# Altium PCB roach2.PcbDoc (part 31 of 39) (continued)
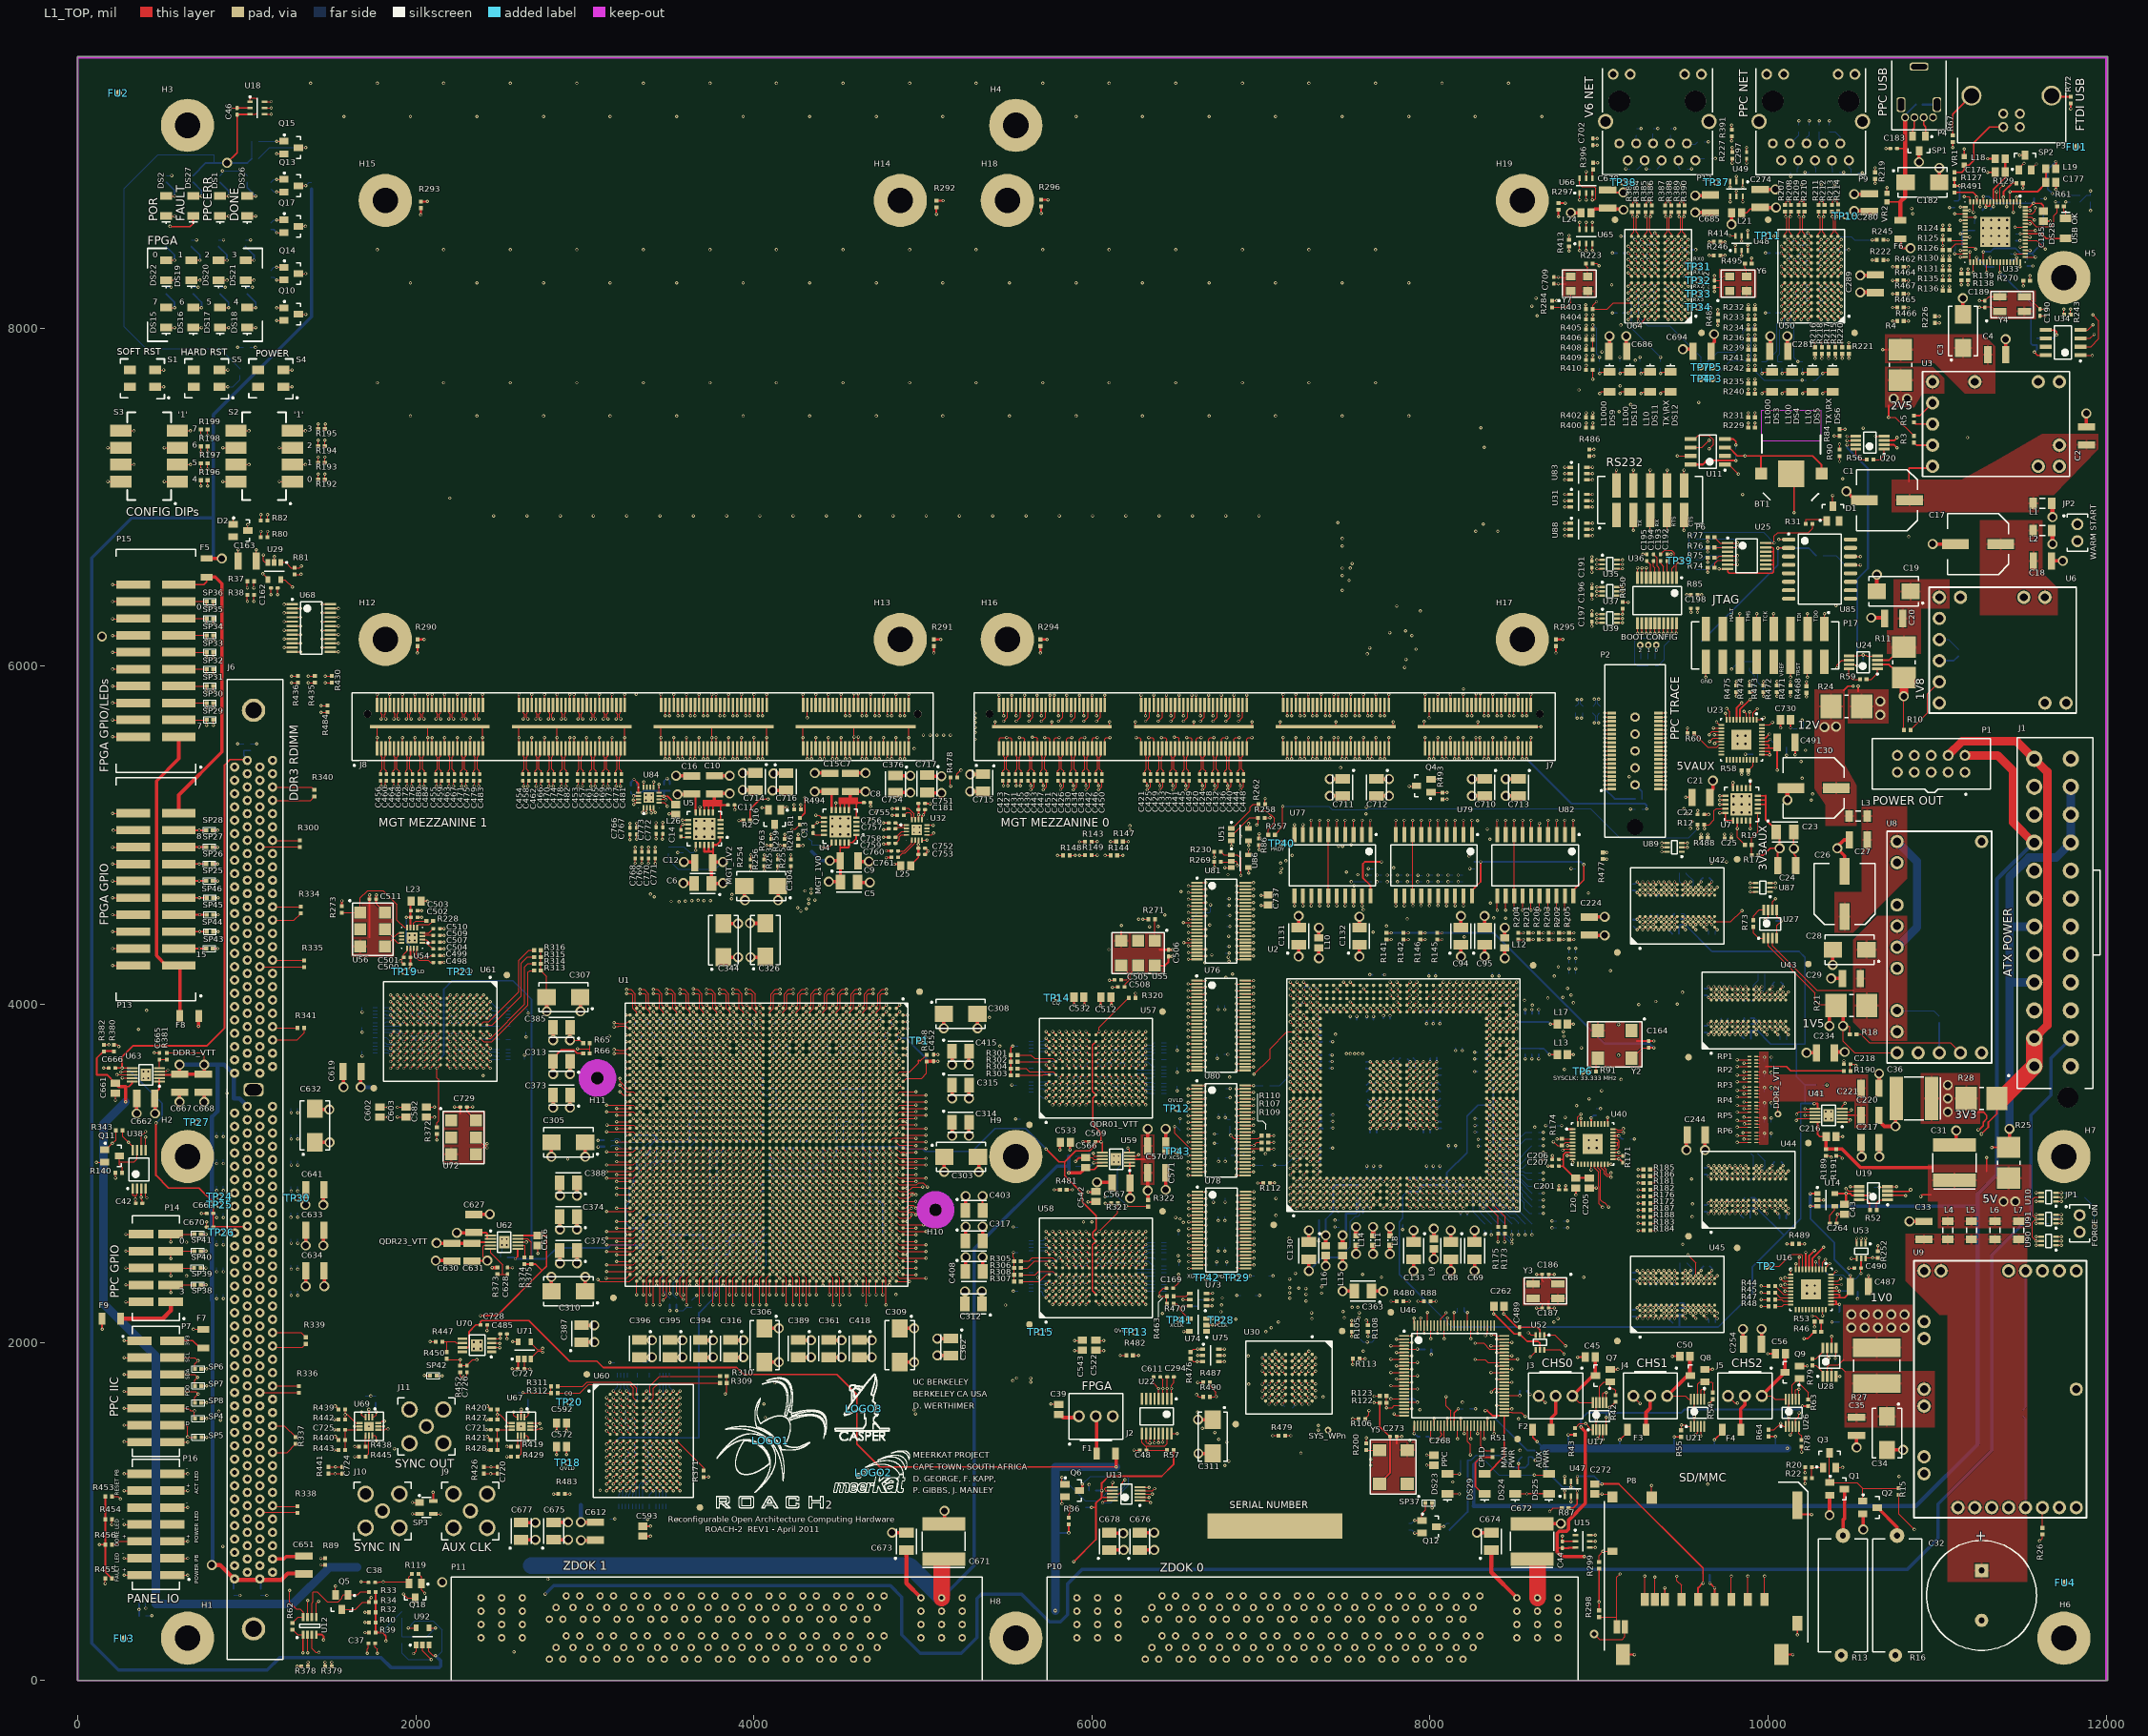
[diagram p0: L1_TOP view]
## Nets (pads, with @x,y where several pads share a name; then routed paths per layer and width w, separated by ;. In a path a pad name is that pad's centre, name@x,y a point inside that pad or via, vN(x,y) a via of type N, cw(c..) or ccw(c..) an arc to the next point about the centre after c; other vN are vias at no path point) (continued)
QDR3.D23: U1.AU19 U61.J3 | length 1863.3
  L1_TOP w5: v1(2086.61,3976.38) U61.J3@2106.3,3956.69 ; v1(3443.98,3285.87) 3463.35,3266.5 U1.AU19@3463.67,3266.18
  L12_S w3.8: v1(2086.61,3976.38) 2065.99,3955.76 2065.99,3920.99 2073.75,3913.24 2629.75,3913.24 2693.99,3848.99 2693.99,3799.99 2868.99,3624.99 2868.99,3540.99 2941.99,3467.99 3079.99,3467.99 3118.99,3428.99 3134.99,3428.99 3155.99,3407.99 3155.99,3392.99 3182.99,3365.99 3280.99,3365.99 3300.99,3345.99 3410.99,3345.99 3421.99,3334.99 3421.99,3307.86 v1(3443.98,3285.87)
QDR3.D24: U1.AY18 U61.L3 | length 1824.5
  L1_TOP w5: v1(2007.87,3976.38) U61.L3@2027.56,3956.69 ; v1(3325.87,3325.24) 3345.24,3305.87 U1.AY18@3345.56,3305.55
  L12_S w3.8: v1(2007.87,3976.38) 2018.77,3965.48 2018.77,3965.21 2023.47,3960.51 2023.47,3883.51 2027.19,3879.79 2622.19,3879.79 2672.99,3828.99 2672.99,3786.99 2760.99,3698.99 2760.99,3551.99 2877.99,3434.99 3012.99,3434.99 3064.99,3382.99 3144.99,3382.99 3172.48,3355.51 3172.48,3338.46 3181.62,3329.32 3198.66,3329.32 3220.99,3306.99 3307.63,3306.99 v1(3325.87,3325.24)
QDR3.D25: U1.BB18 U61.M3 | length 1890.4
  L1_TOP w5: v1(1968.5,3976.38) U61.M3@1988.19,3956.69 ; v2(3188.08,3305.55) U1.BB18@3266.82,3305.55
  L12_S w3.8: v1(1968.5,3976.38) 1952.9,3960.78 1952.9,3886.08 1966.99,3871.99 2594.99,3871.99 2624.99,3841.99 2624.99,3771.99 2697.99,3698.99 2697.99,3468.99 2738.99,3427.99 2834.99,3427.99 2848.99,3413.99 2848.99,3352.99 2876.99,3324.99 3168.64,3324.99 v2(3188.08,3305.55)
QDR3.D26: U1.BB19 U61.N2 | length 1977.7
  L1_TOP w5: v1(1929.13,4015.75) U61.N2@1948.82,3996.06 ; v2(3188.08,3266.18) U1.BB19@3266.82,3266.18
  L12_S w3.8: v1(1929.13,4015.75) 1913.53,4000.15 1913.53,3874.45 1931.99,3855.99 2547.99,3855.99 2594.99,3808.99 2594.99,3714.99 2676.49,3633.49 2676.49,3426.49 2825.99,3276.99 3099.72,3276.99 3124.47,3301.74 3146.53,3301.74 3182.09,3266.18 v2(3188.08,3266.18)
QDR3.D27: U1.AM17 U61.C1 | length 2072.7
  L1_TOP w5: U61.C1@2342.52,4035.43 v1(2362.21,4055.12) ; v1(3640.83,3364.61) 3660.2,3345.24 U1.AM17@3660.52,3344.92
  L12_S w3.8: v1(2362.21,4055.12) 2361.99,4055.33 2361.99,4081.99 2522.99,4242.99 2874.99,4242.99 3114.99,4002.99 3114.99,3721.99 3181.99,3654.99 3181.99,3554.14 3198.07,3538.06 3205.99,3538.06 3206.36,3537.69 3223.36,3537.69 3254.56,3506.49 3411.07,3506.49 3411.19,3506.61 3443.99,3506.61 3444.11,3506.49 3493.49,3506.49 3493.99,3506.99 3498.94,3502.04 3498.94,3481.99 3499.32,3481.61 3499.32,3405.31 3516.26,3388.38 3617.06,3388.38 v1(3640.83,3364.61)
QDR3.D28: U1.AM16 U61.D1 | length 2152.5
  L1_TOP w5: U61.D1@2303.15,4035.43 v1(2322.84,4055.12) ; v1(3640.83,3403.98) 3660.2,3384.61 U1.AM16@3660.52,3384.29
  L12_S w3.8: v1(2322.84,4055.12) 2321.99,4055.96 2321.99,4137.99 2441.99,4257.99 2885.99,4257.99 3128.99,4014.99 3128.99,3726.99 3192.16,3663.82 3192.16,3554.99 3201.3,3545.86 3214.23,3545.86 3225.74,3557.37 3249.6,3557.37 3269.16,3537.81 3450.06,3537.81 3450.18,3537.69 3490.43,3537.69 3507.12,3520.99 3507.12,3436.88 3524.06,3419.95 3624.86,3419.95 v1(3640.83,3403.98)
QDR3.D29: U1.AJ16 U61.E2 | length 2392.7
  L1_TOP w5: U61.E2@2263.78,3996.06 v1(2283.47,4015.75) ; v1(3758.94,3403.98) 3778.31,3384.61 U1.AJ16@3778.63,3384.29
  L12_S w3.8: v1(2283.47,4015.75) 2301.99,4034.27 2301.99,4219.99 2358.99,4276.99 2894.99,4276.99 3160.99,4010.99 3160.99,3924.99 3146.99,3910.99 3146.99,3854.99 3170.99,3830.99 3170.99,3756.96 3210.99,3716.96 3210.99,3603.99 3227.53,3587.45 3227.53,3574.68 3236.67,3565.54 3266.35,3565.54 3270.9,3560.99 3270.9,3554.99 3280.04,3545.86 3524.99,3545.86 3538.32,3532.53 3538.32,3445.06 3555.63,3427.75 3735.17,3427.75 v1(3758.94,3403.98)
QDR3.D30: U1.AN15 U61.G1 | length 2255.9
  L1_TOP w5: U61.G1@2185.04,4035.43 v1(2204.73,4055.12) ; v1(3601.46,3443.35) 3620.83,3423.98 U1.AN15@3621.15,3423.66
  L12_S w3.8: v1(2204.73,4055.12) 2204.99,4055.39 2204.99,4185.99 2316.99,4297.99 2891.99,4297.99 3172.99,4016.99 3172.99,3919.99 3157.39,3904.39 3157.39,3860.53 3181.99,3835.93 3181.99,3756.99 3219.73,3719.25 3219.73,3610.82 3233.44,3597.11 3255.91,3597.11 3275.59,3577.43 3522.99,3577.43 3523.36,3577.06 3529.18,3577.06 3546.49,3559.75 3546.49,3476.25 3555.63,3467.12 3562.37,3467.12 3586.14,3443.35 v1(3601.46,3443.35)
QDR3.D31: U1.AK15 U61.J1 | length 2464.7
  L1_TOP w5: v1(2086.61,4055.12) U61.J1@2106.3,4035.43 ; v1(3719.57,3443.35) 3738.94,3423.98 U1.AK15@3739.26,3423.66
  L12_S w3.8: v1@2083.86,4055.12 v1(2086.61,4055.12) 2086.61,4121.61 2298.99,4333.99 2909.99,4333.99 3204.99,4038.99 3204.99,3772.99 3263.1,3714.88 3263.1,3630.51 3276.81,3616.8 3526.99,3616.8 3527.36,3616.43 3529.18,3616.43 3538.32,3607.29 3538.32,3595.66 3548.99,3584.99 3571.65,3584.99 3585.86,3570.78 3585.86,3515.62 3595,3506.49 3604.5,3506.49 3625.23,3485.75 3625.23,3476.25 3634.37,3467.12 3678.5,3467.12 3702.27,3443.35 v1(3719.57,3443.35)
QDR3.D32: U1.AM14 U61.K2 | length 2466.9
  L1_TOP w5: v1(2047.24,4015.75) U61.K2@2066.93,3996.06 ; v1(3640.83,3482.72) 3660.2,3463.35 U1.AM14@3660.52,3463.03
  L12_S w3.8: v1@2045.24,4015.75 v1(2047.24,4015.75) 2066.99,4035.5 2066.99,4124.99 2294.39,4352.39 2927.59,4352.39 3221.99,4057.99 3221.99,3773.99 3270.9,3725.08 3270.9,3633.74 3280.04,3624.6 3560.39,3624.6 3577.69,3607.29 3577.69,3594.29 3594.93,3577.06 3607.93,3577.06 3617.06,3567.92 3617.06,3506.49 v1(3640.83,3482.72)
QDR3.D33: U1.AP18 U61.M1 | length 2344.2
  L1_TOP w5: v1(1968.5,4055.12) U61.M1@1988.19,4035.43 ; v1(3562.09,3325.24) 3581.46,3305.87 U1.AP18@3581.78,3305.55
  L12_S w3.8: v1(1968.5,4055.12) 1944.73,4031.35 1944.73,3878.25 1959.19,3863.79 2565.19,3863.79 2610.99,3817.99 2610.99,3768.99 2690.19,3689.79 2690.19,3447.79 2845.99,3291.99 3091.99,3291.99 3112.99,3312.99 3148.99,3312.99 3180.2,3281.78 3203.68,3281.78 3223.36,3262.1 3524.99,3262.1 3546.49,3283.6 3546.49,3292.33 3562.09,3307.93 v1(3562.09,3325.24)
QDR3.D34: U1.AN18 U61.N1 | length 2483.6
  L1_TOP w5: v1(1929.13,4055.12) U61.N1@1948.82,4035.43 ; v1(3601.46,3325.24) 3620.83,3305.87 U1.AN18@3621.15,3305.55
  L12_S w3.8: v1(1929.13,4055.12) 1905.36,4031.35 1905.36,3857.62 1917.99,3844.99 2534.99,3844.99 2564.99,3814.99 2564.99,3713.99 2640.99,3637.99 2640.99,3428.99 2809.99,3259.99 3101.99,3259.99 3111.9,3269.9 3138.72,3269.9 3157.81,3250.81 3158.03,3250.81 3162.05,3246.79 3215.76,3246.79 3220.15,3242.41 3249.6,3242.41 3261.11,3230.9 3568.56,3230.9 3577.69,3240.03 3577.69,3301.47 v1(3601.46,3325.24)
QDR3.D35: U1.AN19 U61.P2 | length 2478.3
  L1_TOP w5: v1(1889.76,4015.75) U61.P2@1909.45,3996.06 ; v1(3601.46,3285.87) 3620.83,3266.5 U1.AN19@3621.15,3266.18
  L12_S w3.8: v1(1889.76,4015.75) 1868.99,3994.98 1868.99,3867.99 1902.49,3834.5 2519.49,3834.5 2531.99,3821.99 2531.99,3676.99 2621.99,3586.99 2621.99,3409.99 2788.99,3242.99 3103.46,3242.99 3122.56,3262.1 3135.49,3262.1 3158.59,3238.99 3212.53,3238.99 3227.53,3223.99 3227.53,3220.35 3236.67,3211.21 3249.6,3211.21 3261.11,3222.73 3579.73,3222.73 3585.86,3228.86 3585.86,3252.96 3601.46,3268.56 v1(3601.46,3285.87)
QDR3.DOFFN: U1.AL17 U61.H1 | length 2414.1
  L1_TOP w5: v1(2125.98,4055.12) U61.H1@2145.67,4035.43 ; v1(3680.2,3364.61) 3699.57,3345.24 U1.AL17@3699.89,3344.92
  L8_R w3.8: v2(2898.99,3084.99) 2924.99,3084.99 3102.99,3262.99 3140.99,3262.99 3160.99,3282.99 3210.99,3282.99 3272.99,3344.99 3660.59,3344.99 v1(3680.2,3364.61)
  L14_S w3.8: v1(2125.98,4055.12) 2160.99,4020.11 2160.99,3530.99 2210.99,3480.99 2502.99,3480.99 v2(2898.99,3084.99)
QDR3.K: U1.AN20 U61.B6 | length 1977.2
  L1_TOP w5: U61.B6@2381.89,3838.58 v1(2401.58,3818.9) ; v1(3601.46,3246.5) 3620.83,3227.13 U1.AN20@3621.15,3226.81
  L5_S w3.8: v1(2401.58,3818.9) 2463.67,3880.99 2524.99,3880.99 2633.99,3771.99 2720.99,3771.99 2723.21,3769.77 cw(c2720.1,3766.66) 2723.21,3763.55 2708.69,3749.02 ccw(c2711.8,3745.91) 2708.69,3742.8 ccw(c2711.8,3745.91) 2714.91,3742.8 2732.55,3760.44 2734.81,3762.7 cw(c2737.92,3759.59) 2741.03,3762.7 ; 3450.69,3458.69 3450.81,3458.81 ; v1(3601.46,3246.5) 3617.06,3262.1 3617.06,3449.81 3607.93,3458.95 3493.18,3458.95 3493.04,3458.81 3450.81,3458.81 ; 2721.13,3730.35 ccw(c2724.24,3733.46) 2727.36,3730.35 ; 2721.13,3730.35 ccw(c2724.24,3733.46) 2727.36,3730.35 ; 2721.13,3730.35 cw(c2724.24,3733.46) 2721.13,3736.58 2741.03,3756.48 ; 2727.36,3730.35 2741.88,3744.88 ; 2741.03,3756.48 ccw(c2737.92,3759.59) 2741.03,3762.7 ; 2741.03,3756.48 ccw(c2737.92,3759.59) 2741.03,3762.7 ; 2741.88,3744.88 cw(c2744.99,3741.77) 2748.1,3744.88 ; 2741.88,3744.88 cw(c2744.99,3741.77) 2748.1,3744.88 ; 2748.1,3744.88 2774.99,3717.99 2779.39,3717.99 2783.79,3717.99 cw(c2783.79,3713.59) 2788.19,3713.59 2788.19,3708.21 ccw(c2792.59,3708.21) 2792.59,3703.81 ccw(c2792.59,3708.21) 2796.99,3708.21 2796.99,3713.59 cw(c2801.39,3713.59) 2801.39,3717.99 cw(c2801.39,3713.59) 2805.79,3713.59 2805.79,3708.21 ccw(c2810.19,3708.21) 2810.19,3703.81 ccw(c2810.19,3708.21) 2814.59,3708.21 2814.59,3713.59 cw(c2818.99,3713.59) 2818.99,3717.99 cw(c2818.99,3713.59) 2823.39,3713.59 2823.39,3708.21 ccw(c2827.79,3708.21) 2827.79,3703.81 ccw(c2827.79,3708.21) 2832.19,3708.21 2832.19,3713.59 cw(c2836.59,3713.59) 2836.59,3717.99 2839.99,3717.99 2848.99,3708.99 2894.99,3708.99 2951.99,3651.99 2951.99,3510.99 3006.99,3455.99 3125.99,3455.99 3135.99,3465.99 3173.99,3465.99 3181.18,3458.81 3200.61,3458.81 3200.75,3458.95 3450.67,3458.95 3450.81,3458.81
QDR3.KN: U1.AP21 U61.A6 | length 1977.2
  L1_TOP w5: U61.A6@2421.26,3838.58 v1(2440.95,3818.9) ; v1(3562.09,3207.13) 3581.46,3187.76 U1.AP21@3581.78,3187.44
  L5_S w3.8: v1(2440.95,3818.9) 2466.04,3843.99 2545.99,3843.99 2627.99,3761.99 2672.99,3761.99 2742.99,3691.99 2862.99,3691.99 2877.56,3677.42 2877.56,3673.99 ; v1(3562.09,3207.13) 3585.49,3230.53 3585.49,3415.49 3573.24,3427.75 3276.24,3427.75 3254.99,3448.99 3222.99,3448.99 3213.99,3439.99 3006.99,3439.99 2877.56,3569.42 2877.56,3621.19 ; 2877.56,3621.19 cw(c2881.96,3621.19) 2881.96,3625.59 ; 2877.56,3621.19 cw(c2881.96,3621.19) 2881.96,3625.59 ; 2877.56,3638.79 cw(c2881.96,3638.79) 2881.96,3643.19 ; 2877.56,3638.79 ccw(c2881.96,3638.79) 2881.96,3634.39 ; 2877.56,3638.79 ccw(c2881.96,3638.79) 2881.96,3634.39 ; 2877.56,3638.79 cw(c2881.96,3638.79) 2881.96,3643.19 ; 2877.56,3656.39 ccw(c2881.96,3656.39) 2881.96,3651.99 ; 2877.56,3656.39 ccw(c2881.96,3656.39) 2881.96,3651.99 ; 2877.56,3656.39 cw(c2881.96,3656.39) 2881.96,3660.79 ; 2877.56,3656.39 cw(c2881.96,3656.39) 2881.96,3660.79 ; 2877.56,3673.99 ccw(c2881.96,3673.99) 2881.96,3669.59 ; 2877.56,3673.99 ccw(c2881.96,3673.99) 2881.96,3669.59 ; 2881.96,3625.59 2913.16,3625.59 ; 2881.96,3634.39 2913.16,3634.39 ; 2881.96,3643.19 2913.16,3643.19 ; 2881.96,3651.99 2913.16,3651.99 ; 2881.96,3660.79 2913.16,3660.79 ; 2881.96,3669.59 2913.16,3669.59 ; 2913.16,3625.59 ccw(c2913.16,3629.99) 2917.56,3629.99 ; 2913.16,3625.59 ccw(c2913.16,3629.99) 2917.56,3629.99 ; 2913.16,3634.39 cw(c2913.16,3629.99) 2917.56,3629.99 ; 2913.16,3634.39 cw(c2913.16,3629.99) 2917.56,3629.99 ; 2913.16,3643.19 ccw(c2913.16,3647.59) 2917.56,3647.59 ; 2913.16,3643.19 ccw(c2913.16,3647.59) 2917.56,3647.59 ; 2913.16,3651.99 cw(c2913.16,3647.59) 2917.56,3647.59 ; 2913.16,3651.99 cw(c2913.16,3647.59) 2917.56,3647.59 ; 2913.16,3660.79 ccw(c2913.16,3665.19) 2917.56,3665.19 ; 2913.16,3660.79 ccw(c2913.16,3665.19) 2917.56,3665.19 ; 2913.16,3669.59 cw(c2913.16,3665.19) 2917.56,3665.19 ; 2913.16,3669.59 cw(c2913.16,3665.19) 2917.56,3665.19
QDR3.Q0: U1.AY27 U61.P11 | length 2015.4
  L1_TOP w5: v1(1889.76,3622.05) U61.P11@1909.45,3641.73 ; v1(3325.87,2931.53) U1.AY27@3345.56,2951.22
  L9_R w3.8: v1(1889.76,3622.05) 1872.99,3605.28 1872.99,3278.99 2224.53,2927.45 3258.53,2927.45 3270.05,2915.93 3310.27,2915.93 v1(3325.87,2931.53)
QDR3.Q1: U1.AV26 U61.M10 | length 2056.2
  L1_TOP w5: v1(1968.5,3661.42) U61.M10@1988.19,3681.1 ; v1(3404.61,2970.9) U1.AV26@3424.3,2990.59
  L9_R w3.8: v1(1968.5,3661.42) 1947.99,3640.91 1947.99,3273.99 2259.55,2962.43 3115.43,2962.43 3122.56,2955.3 3135.49,2955.3 3147,2966.82 3194.54,2966.82 3206.06,2955.3 3389.01,2955.3 v1(3404.61,2970.9)
QDR3.Q2: U1.AW26 U61.L11 | length 1903.9
  L1_TOP w5: v1(2007.87,3622.05) U61.L11@2027.56,3641.73 ; v1(3365.24,2970.9) U1.AW26@3384.93,2990.59
  L9_R w3.8: v1(2007.87,3622.05) 2006.99,3621.16 2006.99,3262.99 2283.48,2986.5 3170.1,2986.5 3181.62,2974.99 3194.54,2974.99 3206.05,2986.5 3349.64,2986.5 v1(3365.24,2970.9)
QDR3.Q3: U1.BA25 U61.K11 | length 1756.5
  L1_TOP w5: v1(2047.24,3622.05) U61.K11@2066.93,3641.73 ; v2(3129.02,3010.27) 3286.5,3010.27 U1.BA25@3306.19,3029.96
  L9_R w3.8: v1(2047.24,3622.05) 2047.24,3287.74 2109.99,3224.99 2126.99,3224.99 2126.99,3223.99 2141.99,3208.99 2141.99,3188.99 2313.99,3016.99 3096.99,3016.99 3103.71,3010.27 v2(3129.02,3010.27)
QDR3.Q4: U1.AT25 U61.J10 | length 1957.1
  L1_TOP w5: v1(2086.61,3661.42) U61.J10@2106.3,3681.1 ; v1(3483.35,3010.27) U1.AT25@3503.04,3029.96
  L9_R w3.8: v1(2086.61,3661.42) 2106.99,3641.04 2106.99,3582.99 2128.99,3560.99 2128.99,3238.99 2333.99,3033.99 3102.99,3033.99 3111.11,3025.87 3210.11,3025.87 3224.99,3010.99 3278.99,3010.99 3293.87,3025.87 3450.44,3025.87 3466.04,3010.27 v1(3483.35,3010.27)
QDR3.Q5: U1.AT24 U61.F11 | length 1732.5
  L1_TOP w5: U61.F11@2224.41,3641.73 v1(2244.1,3622.05) ; v1(3483.35,3049.64) U1.AT24@3503.04,3069.33
  L9_R w3.8: v1(2244.1,3622.05) 2258.99,3607.15 2258.99,3264.99 2320.99,3202.99 2432.99,3202.99 2502.21,3133.77 3038.42,3133.77 3087.26,3084.93 3200.05,3084.93 3211.57,3073.41 3459.58,3073.41 v1(3483.35,3049.64)
QDR3.Q6: U1.AP23 U61.E11 | length 1699.5
  L1_TOP w5: U61.E11@2263.78,3641.73 v1(2283.47,3622.05) ; v1(3562.09,3089.01) U1.AP23@3581.78,3108.7
  L9_R w3.8: v1(2283.47,3622.05) 2283.47,3385.52 2506.99,3161.99 3038.99,3161.99 3061.99,3138.99 3097.99,3138.99 3104.99,3145.99 3155.99,3145.99 3174.99,3126.99 3215.99,3126.99 3238.37,3104.61 3538.32,3104.61 3553.92,3089.01 v1(3562.09,3089.01)
QDR3.Q7: U1.AM23 U61.C10 | length 1797
  L1_TOP w5: U61.C10@2342.52,3681.1 v1(2362.21,3661.42) ; v1(3640.83,3089.01) U1.AM23@3660.52,3108.7
  L9_R w3.8: v1(2362.21,3661.42) 2346.61,3645.82 2346.61,3579.38 2346.99,3578.99 2346.99,3404.74 2352.28,3399.45 2352.28,3386.53 2346.99,3381.24 2346.99,3378.99 2517.18,3208.81 3070.39,3208.81 3071.63,3210.06 3084.56,3210.06 3091.57,3203.04 3200.94,3203.04 3229.78,3174.2 3611.78,3174.2 3622.99,3162.99 3622.99,3106.86 v1(3640.83,3089.01)
QDR3.Q8: U1.AK24 U61.B11 | length 1841.6
  L1_TOP w5: U61.B11@2381.89,3641.73 v1(2401.58,3622.05) ; v1(3719.57,3049.64) U1.AK24@3739.26,3069.33
  L9_R w3.8: v1(2401.58,3622.05) 2418.99,3604.63 2418.99,3366.99 2542.99,3242.99 3096.99,3242.99 3109.09,3230.9 3136.9,3230.9 3148.41,3242.41 3272.57,3242.41 3292.26,3222.73 3686.67,3222.73 3695.8,3213.59 3695.8,3073.41 v1(3719.57,3049.64)
QDR3.Q9: U1.AU27 U61.P9 | length 2249.1
  L1_TOP w5: v1(1889.76,3700.79) U61.P9@1909.45,3720.47 ; v1(3443.98,2931.53) U1.AU27@3463.67,2951.22
  L9_R w3.8: v1(1889.76,3700.79) 1868.99,3680.02 1868.99,3614.99 1862.99,3608.99 1862.99,3267.99 2216.99,2913.99 3160.99,2913.99 3178.73,2896.25 3194.54,2896.25 3206.05,2907.76 3420.21,2907.76 v1(3443.98,2931.53)
QDR3.Q10: U1.AP26 U61.N9 | length 2296.6
  L1_TOP w5: v1(1929.13,3700.79) U61.N9@1948.82,3720.47 ; v1(3562.09,2970.9) U1.AP26@3581.78,2990.59
  L9_R w3.8: v1(1929.13,3700.79) 1907.99,3679.65 1907.99,3279.99 2240.99,2946.99 3169.99,2946.99 3181.36,2935.62 3205.62,2935.62 3217.13,2947.13 3469.13,2947.13 3477.3,2955.3 3529.18,2955.3 3544.78,2970.9 v1(3562.09,2970.9)
QDR3.Q11: U1.BA26 U61.L10 | length 1886.2
  L1_TOP w5: v1(2007.87,3661.42) U61.L10@2027.56,3681.1 ; v2(3129.02,2970.9) 3286.5,2970.9 U1.BA26@3306.19,2990.59
  L9_R w3.8: v1(2007.87,3661.42) 1986.99,3640.53 1986.99,3257.99 2267.99,2976.99 3093.99,2976.99 3100.08,2970.9 v2(3129.02,2970.9)
QDR3.Q12: U1.AL25 U61.K9 | length 2277.2
  L1_TOP w5: v1(2047.24,3700.79) U61.K9@2066.93,3720.47 ; v1(3680.2,3010.27) U1.AL25@3699.89,3029.96
  L9_R w3.8: v1(2047.24,3700.79) 2025.99,3679.53 2025.99,3273.99 2295.99,3003.99 3088.99,3003.99 3098.31,2994.67 3170.1,2994.67 3181.62,3006.19 3194.54,3006.19 3206.06,2994.67 3664.6,2994.67 v1(3680.2,3010.27)
QDR3.Q13: U1.AP25 U61.G9 | length 2025.9
  L1_TOP w5: U61.G9@2185.04,3720.47 v1(2204.73,3700.79) ; v1(3562.09,3010.27) U1.AP25@3581.78,3029.96
  L9_R w3.8: 2179.99,3588.99 2179.99,3585.99 ; v1(2204.73,3700.79) 2179.99,3676.05 2179.99,3585.99 ; v1(3562.09,3010.27) 3538.32,3034.04 3261.11,3034.04 3249.6,3045.56 3147,3045.56 3135.49,3034.04 3122.56,3034.04 3107.61,3048.99 2354.99,3048.99 2179.99,3223.99 2179.99,3585.99
QDR3.Q14: U1.AK22 U61.F10 | length 1855.5
  L1_TOP w5: U61.F10@2224.41,3681.1 v1(2244.1,3661.42) ; v1(3719.57,3128.38) U1.AK22@3739.26,3148.07
  L9_R w3.8: v1(2244.1,3661.42) 2264.68,3682 2286.74,3682 2307.24,3702.49 2307.24,3707.25 2316.37,3716.39 2329.3,3716.39 2344,3701.68 2344,3690 2352,3682 2444,3682 2844,3282 2956,3282 2975.9,3262.1 3135.49,3262.1 3147,3250.58 3238.79,3250.58 3246,3257.79 3268.22,3257.79 3295.12,3230.9 3689.53,3230.9 3703.97,3216.45 3703.97,3186.03 3719.57,3170.43 v1(3719.57,3128.38)
QDR3.Q15: U1.AJ22 U61.E9 | length 2007.7
  L1_TOP w5: U61.E9@2263.78,3720.47 v1(2283.47,3700.79) ; v1(3758.94,3128.38) U1.AJ22@3778.63,3148.07
  L9_R w3.8: v1(2283.47,3700.79) 2306.87,3724.19 2711.8,3724.19 2731.99,3703.99 2731.99,3546.99 2776.99,3501.99 2801.99,3501.99 2848.42,3455.56 2848.42,3353.56 2887.99,3313.99 3053.99,3313.99 3097.44,3270.54 3139.39,3270.54 3150.63,3281.78 3194.54,3281.78 3206.05,3270.27 3717.87,3270.27 3738.99,3249.14 3738.99,3148.34 v1(3758.94,3128.38)
QDR3.Q16: U1.AN23 U61.D9 | length 1811.4
  L1_TOP w5: U61.D9@2303.15,3720.47 v1(2322.84,3700.79) ; v1(3601.46,3089.01) U1.AN23@3621.15,3108.7
  L9_R w3.8: v1(2322.84,3700.79) 2303.99,3681.94 2303.99,3394.99 2510.99,3187.99 3045.99,3187.99 3056.99,3176.99 3106.99,3176.99 3118.99,3164.99 3202.99,3164.99 3211.99,3155.99 3564.99,3155.99 3582.99,3137.99 3582.99,3107.49 v1(3601.46,3089.01)
QDR3.Q17: U1.AM24 U61.B10 | length 1845.7
  L1_TOP w5: U61.B10@2381.89,3681.1 v1(2401.58,3661.42) ; v1(3640.83,3049.64) U1.AM24@3660.52,3069.33
  L9_R w3.8: v1(2401.58,3661.42) 2381.99,3641.83 2381.99,3374.99 2536.98,3220 3090.99,3220 3100.15,3210.84 3216.14,3210.84 3244.98,3182 3652.52,3182 3661.99,3172.53 3661.99,3070.8 v1(3640.83,3049.64)
QDR3.Q18: U1.AT17 U61.B2 | length 1764.4
  L1_TOP w5: U61.B2@2381.89,3996.06 v1(2401.58,4015.75) ; v1(3483.35,3364.61) U1.AT17@3503.04,3344.92
  L9_R w3.8: v1(2401.58,4015.75) 2417.18,4031.35 2523.64,4031.35 2531.99,4022.99 2988.99,4022.99 3045.99,3965.99 3045.99,3731.99 2988.2,3674.2 2988.2,3517.8 3030,3476 3137.98,3476 3165.99,3447.99 3260.16,3447.99 3280.41,3427.75 3420.21,3427.75 v1(3483.35,3364.61)
QDR3.Q19: U1.AV18 U61.D3 | length 1707.2
  L1_TOP w5: U61.D3@2303.15,3956.69 v1(2322.84,3976.38) ; v1(3404.61,3325.24) U1.AV18@3424.3,3305.55
  L9_R w3.8: v1(2322.84,3976.38) 2322.84,3974.15 2336.21,3960.78 2448.78,3960.78 2476.99,3988.99 2688.99,3988.99 2754.99,3922.99 2930.99,3922.99 2972.99,3880.99 2972.99,3713.43 2947.99,3688.43 2947.99,3603.52 2948.42,3603.09 2948.42,3573.32 2947.99,3572.89 2947.99,3499.99 3002.99,3444.99 3112.99,3444.99 3143.99,3413.99 3206.99,3413.99 3240.41,3380.58 3377.41,3380.58 3386.99,3370.99 3386.99,3342.86 v1(3404.61,3325.24)
QDR3.Q20: U1.AR19 U61.E3 | length 1921.9
  L1_TOP w5: U61.E3@2263.78,3956.69 v1(2283.47,3976.38) ; v1(3522.72,3285.87) U1.AR19@3542.41,3266.18
  L9_R w3.8: v1(2283.47,3976.38) 2307.24,3976.38 2307.24,3969.92 2316.37,3960.78 2325.18,3960.78 2332.98,3952.98 2452.01,3952.98 2475.41,3976.38 2682.61,3976.38 2749.99,3908.99 2919.99,3908.99 2948.42,3880.56 2948.42,3765.42 2877.56,3694.56 2877.56,3551.42 2997.99,3430.99 3091.99,3430.99 3113.42,3409.56 3113.42,3394.56 3119.61,3388.38 3136.38,3388.38 3147.89,3399.89 3203.68,3399.89 3254.56,3349.01 3369.81,3349.01 3389.01,3329.81 3389.01,3318.77 3398.15,3309.64 3498.95,3309.64 v1(3522.72,3285.87)
QDR3.Q21: U1.AR18 U61.F2 | length 1904.5
  L1_TOP w5: U61.F2@2224.41,3996.06 v1(2244.1,4015.75) ; v1(3522.72,3325.24) 3542.09,3305.87 U1.AR18@3542.41,3305.55
  L9_R w3.8: v1(2244.1,4015.75) 2267.5,3992.35 2469.32,3992.35 2473.96,3996.99 2878.99,3996.99 2997.99,3877.99 2997.99,3722.99 2962.99,3687.99 2962.99,3505.99 3009.99,3458.99 3116.99,3458.99 3147.99,3427.99 3214.99,3427.99 3254.61,3388.38 3409.2,3388.38 3420.58,3376.99 3420.58,3354.91 3434.29,3341.21 3506.75,3341.21 v1(3522.72,3325.24)
QDR3.Q22: U1.AW18 U61.G3 | length 1725.3
  L1_TOP w5: U61.G3@2185.04,3956.69 v1(2204.73,3976.38) ; v1(3365.24,3325.24) 3384.61,3305.87 U1.AW18@3384.93,3305.55
  L9_R w3.8: v1(2204.73,3976.38) 2222.99,3958.11 2222.99,3924.99 2233.99,3913.99 2554.99,3913.99 ; 2551.99,3913.99 2554.99,3913.99 ; v1(3365.24,3325.24) 3349.49,3340.99 3245.99,3340.99 3218.29,3368.69 3147,3368.69 3135.49,3380.21 3108.78,3380.21 3069.99,3418.99 2985.99,3418.99 2865.99,3538.99 2865.99,3709.99 2877.56,3721.56 2877.56,3881.42 2863.99,3894.99 2745.99,3894.99 2726.99,3913.99 2554.99,3913.99
QDR3.Q23: U1.AV19 U61.K3 | length 1902.4
  L1_TOP w5: v1(2047.24,3976.38) U61.K3@2066.93,3956.69 ; v1(3404.61,3285.87) 3423.98,3266.5 U1.AV19@3424.3,3266.18
  L9_R w3.8: v1(2047.24,3976.38) 2065.99,3957.63 2065.99,3878.99 2077.99,3866.99 2747.99,3866.99 2777.56,3837.42 2777.56,3573.32 2800.99,3549.89 2800.99,3548.99 2816.99,3548.99 2968.99,3396.99 3056.99,3396.99 3124.66,3329.32 3217.66,3329.32 3247.99,3298.99 3316.94,3298.99 3319.41,3301.47 3374.52,3301.47 3390.12,3285.87 v1(3404.61,3285.87)
QDR3.Q24: U1.AJ17 U61.L2 | length 2457.5
  L1_TOP w5: v1(2007.87,4015.75) U61.L2@2027.56,3996.06 ; v1(3758.94,3364.61) 3778.31,3345.24 U1.AJ17@3778.63,3344.92
  L9_R w3.8: v1(2007.87,4015.75) 2031.64,4039.52 2031.64,4061.58 2072.05,4101.99 3031.99,4101.99 3167.99,3965.99 3167.99,3931.99 3145.99,3909.99 3145.99,3854.99 3165.19,3835.79 3165.19,3766.19 3148.99,3749.99 3148.99,3691.99 3191.99,3648.99 3191.99,3554.99 3200.99,3545.99 3201.17,3545.99 3201.3,3545.86 3216.99,3545.86 3236.67,3526.17 3238.99,3526.17 3240.17,3524.99 3267.35,3524.99 3280.16,3537.81 3607.81,3537.81 3617.06,3528.55 3617.06,3524.99 3617.43,3524.62 3617.43,3512.39 3631.14,3498.69 3646.93,3498.69 3664.6,3481.01 3664.6,3476.25 3681.91,3458.95 3686.67,3458.95 3695.8,3449.81 3695.8,3445.05 3721.28,3419.58 3726.04,3419.58 3735.17,3410.44 3735.17,3388.38 v1(3758.94,3364.61)
QDR3.Q25: U1.AY19 U61.N3 | length 2008.9
  L1_TOP w5: v1(1929.13,3976.38) U61.N3@1948.82,3956.69 ; v1(3325.87,3285.87) 3345.24,3266.5 U1.AY19@3345.56,3266.18
  L9_R w3.8: v1(1929.13,3976.38) 1913.53,3960.78 1913.53,3881.45 1939.99,3854.99 2704.99,3854.99 2763.99,3795.99 2763.99,3561.99 2791.99,3533.99 2811.99,3533.99 2877.56,3468.42 2877.56,3373.32 2902.89,3347.99 3085.99,3347.99 3112.46,3321.52 3190.99,3321.52 3191.36,3321.15 3203.68,3321.15 3238.96,3285.87 v1(3325.87,3285.87)
QDR3.Q26: U1.BA19 U61.P3 | length 2046.1
  L1_TOP w5: v1(1889.76,3976.38) U61.P3@1909.45,3956.69 ; v2@3130.93,3284.14 3288.41,3284.14 ; U1.BA19@3308.09,3264.46 U1.BA19@3305.96,3266.59 ; 3288.41,3284.14 U1.BA19@3305.96,3266.59 ; 3288.41,3284.14 U1.BA19@3305.96,3266.59
  L9_R w3.8: v1(1889.76,3976.38) 1868.99,3955.61 1868.99,3878.99 1907.99,3839.99 2694.99,3839.99 2745.99,3788.99 2745.99,3556.99 2781.99,3520.99 2803.99,3520.99 2863.99,3460.99 2861.99,3458.99 2861.99,3366.99 2895.99,3332.99 3058.99,3332.99 3107.84,3284.14 v2@3130.93,3284.14
  other v2: 3130.93,3286.14
QDR3.Q27: U1.AT16 U61.B1 | length 1665.7
  L1_TOP w5: U61.B1@2381.89,4035.43 v1(2401.58,4055.12) ; v1(3483.35,3403.98) U1.AT16@3503.04,3384.29
  L9_R w3.8: v1(2401.58,4055.12) 2415.3,4055.12 2419.18,4058.99 3004.99,4058.99 3096.99,3966.99 3096.99,3756.99 3115.99,3737.99 3115.99,3662.99 3158,3620.98 3158,3495.98 3186.87,3467.12 3445.99,3467.12 3459.58,3453.53 3459.58,3427.75 v1(3483.35,3403.98)
QDR3.Q28: U1.AK18 U61.C2 | length 2079.9
  L1_TOP w5: U61.C2@2342.52,3996.06 v1(2362.21,4015.75) ; v1(3719.57,3325.24) U1.AK18@3739.26,3305.55
  L9_R w3.8: v1(2362.21,4015.75) 2377.81,4000.15 2466.09,4000.15 2475.93,4009.99 2983.99,4009.99 3033.99,3959.99 3033.99,3734.99 2974.99,3675.99 2974.99,3515.99 3022.98,3468 3127.98,3468 3156.99,3438.99 3236.4,3438.99 3236.67,3439.26 3254.72,3439.26 3275.41,3418.58 3318.41,3418.58 3319.41,3419.58 3414.99,3419.58 3428.38,3406.19 3428.38,3358.14 3437.52,3349.01 3695.8,3349.01 v1(3719.57,3325.24)
QDR3.Q29: U1.AK17 U61.E1 | length 2150.7
  L1_TOP w5: U61.E1@2263.78,4035.43 v1(2283.47,4055.12) ; v1(3719.57,3364.61) U1.AK17@3739.26,3344.92
  L9_R w3.8: v1(2283.47,4055.12) 2299.07,4039.52 2515.52,4039.52 2521.99,4045.99 2989.99,4045.99 3065.99,3969.99 3065.99,3732.99 2996,3663 2996,3522 3034.2,3483.8 3142.2,3483.8 3167.05,3458.95 3414.43,3458.95 3428.38,3444.99 3428.38,3434.6 3482.78,3380.21 3686.67,3380.21 3702.27,3364.61 v1(3719.57,3364.61)
QDR3.Q30: U1.AP16 U61.F1 | length 1934.7
  L1_TOP w5: U61.F1@2224.41,4035.43 v1(2244.1,4055.12) ; v1(3562.09,3403.98) U1.AP16@3581.78,3384.29
  L9_R w3.8: v1(2244.1,4055.12) 2254.64,4065.66 2254.64,4066.64 2259.99,4071.99 3015.99,4071.99 3112.99,3974.99 3112.99,3764.99 3127.99,3749.99 3127.99,3676.99 3166,3638.98 3166,3510.98 3178.67,3498.32 3529.18,3498.32 3538.32,3489.18 3538.32,3427.75 v1(3562.09,3403.98)
QDR3.Q31: U1.AT19 U61.J2 | length 2044.6
  L1_TOP w5: v1(2086.61,4015.75) U61.J2@2106.3,3996.06 ; v1(3483.35,3285.87) 3502.72,3266.5 U1.AT19@3503.04,3266.18
  L9_R w3.8: v1(2086.61,4015.75) 2097.33,4005.03 2097.96,4005.03 2102.21,4000.77 2102.21,3895.99 2116.17,3882.04 2552.04,3882.04 2552.99,3882.99 2853.99,3882.99 2867.99,3868.99 2867.99,3733.99 2855.99,3721.99 2855.99,3528.99 2976.99,3407.99 3066.42,3407.99 3113.42,3360.99 3113.42,3358.14 3122.56,3349.01 3135.49,3349.01 3146.47,3359.99 3181.09,3359.99 3181.62,3360.52 3206.46,3360.52 3257.35,3309.64 3371.7,3309.64 3372.06,3309.99 3384.99,3309.99 3393.52,3301.47 3450.44,3301.47 3466.04,3285.87 v1(3483.35,3285.87)
QDR3.Q32: U1.AN16 U61.K1 | length 2182.5
  L1_TOP w5: v1(2047.24,4055.12) U61.K1@2066.93,4035.43 ; v1(3601.46,3403.98) U1.AN16@3621.15,3384.29
  L9_R w3.8: v1(2047.24,4055.12) 2058.21,4066.09 2058.21,4066.21 2075.99,4083.99 3026.99,4083.99 3125.99,3984.99 3125.99,3769.99 3138.99,3756.99 3138.99,3682.99 3174,3647.98 3174,3524.98 3192.5,3506.49 3562.99,3506.49 3585.86,3483.61 3585.86,3436.88 3601.46,3421.28 v1(3601.46,3403.98)
QDR3.Q33: U1.AL14 U61.L1 | length 2263.6
  L1_TOP w5: v1(2007.87,4055.12) U61.L1@2027.56,4035.43 ; v1(3680.2,3482.72) 3699.57,3463.35 U1.AL14@3699.89,3463.03
  L9_R w3.8: v1(2007.87,4055.12) 2067.75,4114.99 3036.99,4114.99 3178.99,3972.99 3178.99,3924.99 3157.39,3903.39 3157.39,3858.59 3172.99,3842.99 3172.99,3755.99 3157.67,3740.67 3157.67,3734.99 3157.49,3734.82 3157.49,3701.99 3181.99,3677.5 3182.49,3677.5 3204.99,3654.99 3204.99,3636.99 3227.53,3614.45 3227.53,3574.68 3241.22,3560.99 3262.99,3560.99 3278.13,3545.86 3617.13,3545.86 3625.23,3537.75 3625.23,3515.62 3634.37,3506.49 3656.43,3506.49 v1(3680.2,3482.72)
QDR3.Q34: U1.AJ15 U61.M2 | length 2439
  L1_TOP w5: v1(1968.5,4015.75) U61.M2@1988.19,3996.06 ; v1(3758.94,3443.35) 3778.31,3423.98 U1.AJ15@3778.63,3423.66
  L9_R w3.8: v1(1968.5,4015.75) 1992.27,4039.52 1992.27,4088.27 2028.99,4124.99 3050.99,4124.99 3216.99,3958.99 3216.99,3646.99 3227.87,3636.11 3253.84,3636.11 3258.73,3631.22 3258.73,3590.25 3271.93,3577.06 3647.3,3577.06 3656.43,3567.92 3656.43,3523.79 3681.91,3498.32 3686.67,3498.32 3695.8,3489.18 3695.8,3482.18 3714.99,3462.99 3739.3,3462.99 v1(3758.94,3443.35)
QDR3.Q35: U1.AK14 U61.P1 | length 2462.8
  L1_TOP w5: v1(1889.76,4055.12) U61.P1@1909.45,4035.43 ; v1@3720.09,3485.46 3720.09,3483.24 v1(3719.57,3482.72) 3738.94,3463.35 U1.AK14@3739.26,3463.03
  L9_R w3.8: v1(1889.76,4055.12) 1975.63,4140.99 3096.99,4140.99 3227.53,4010.45 3227.53,3653.42 3236.67,3644.28 3256.7,3644.28 3270.9,3630.08 3270.9,3594.37 3280.04,3585.23 3682.99,3585.23 3699.06,3569.16 3699.06,3506.49 v1@3720.09,3485.46